# Altium PCB Hotbuton_timer.PcbDoc (part 2 of 2) (continued)
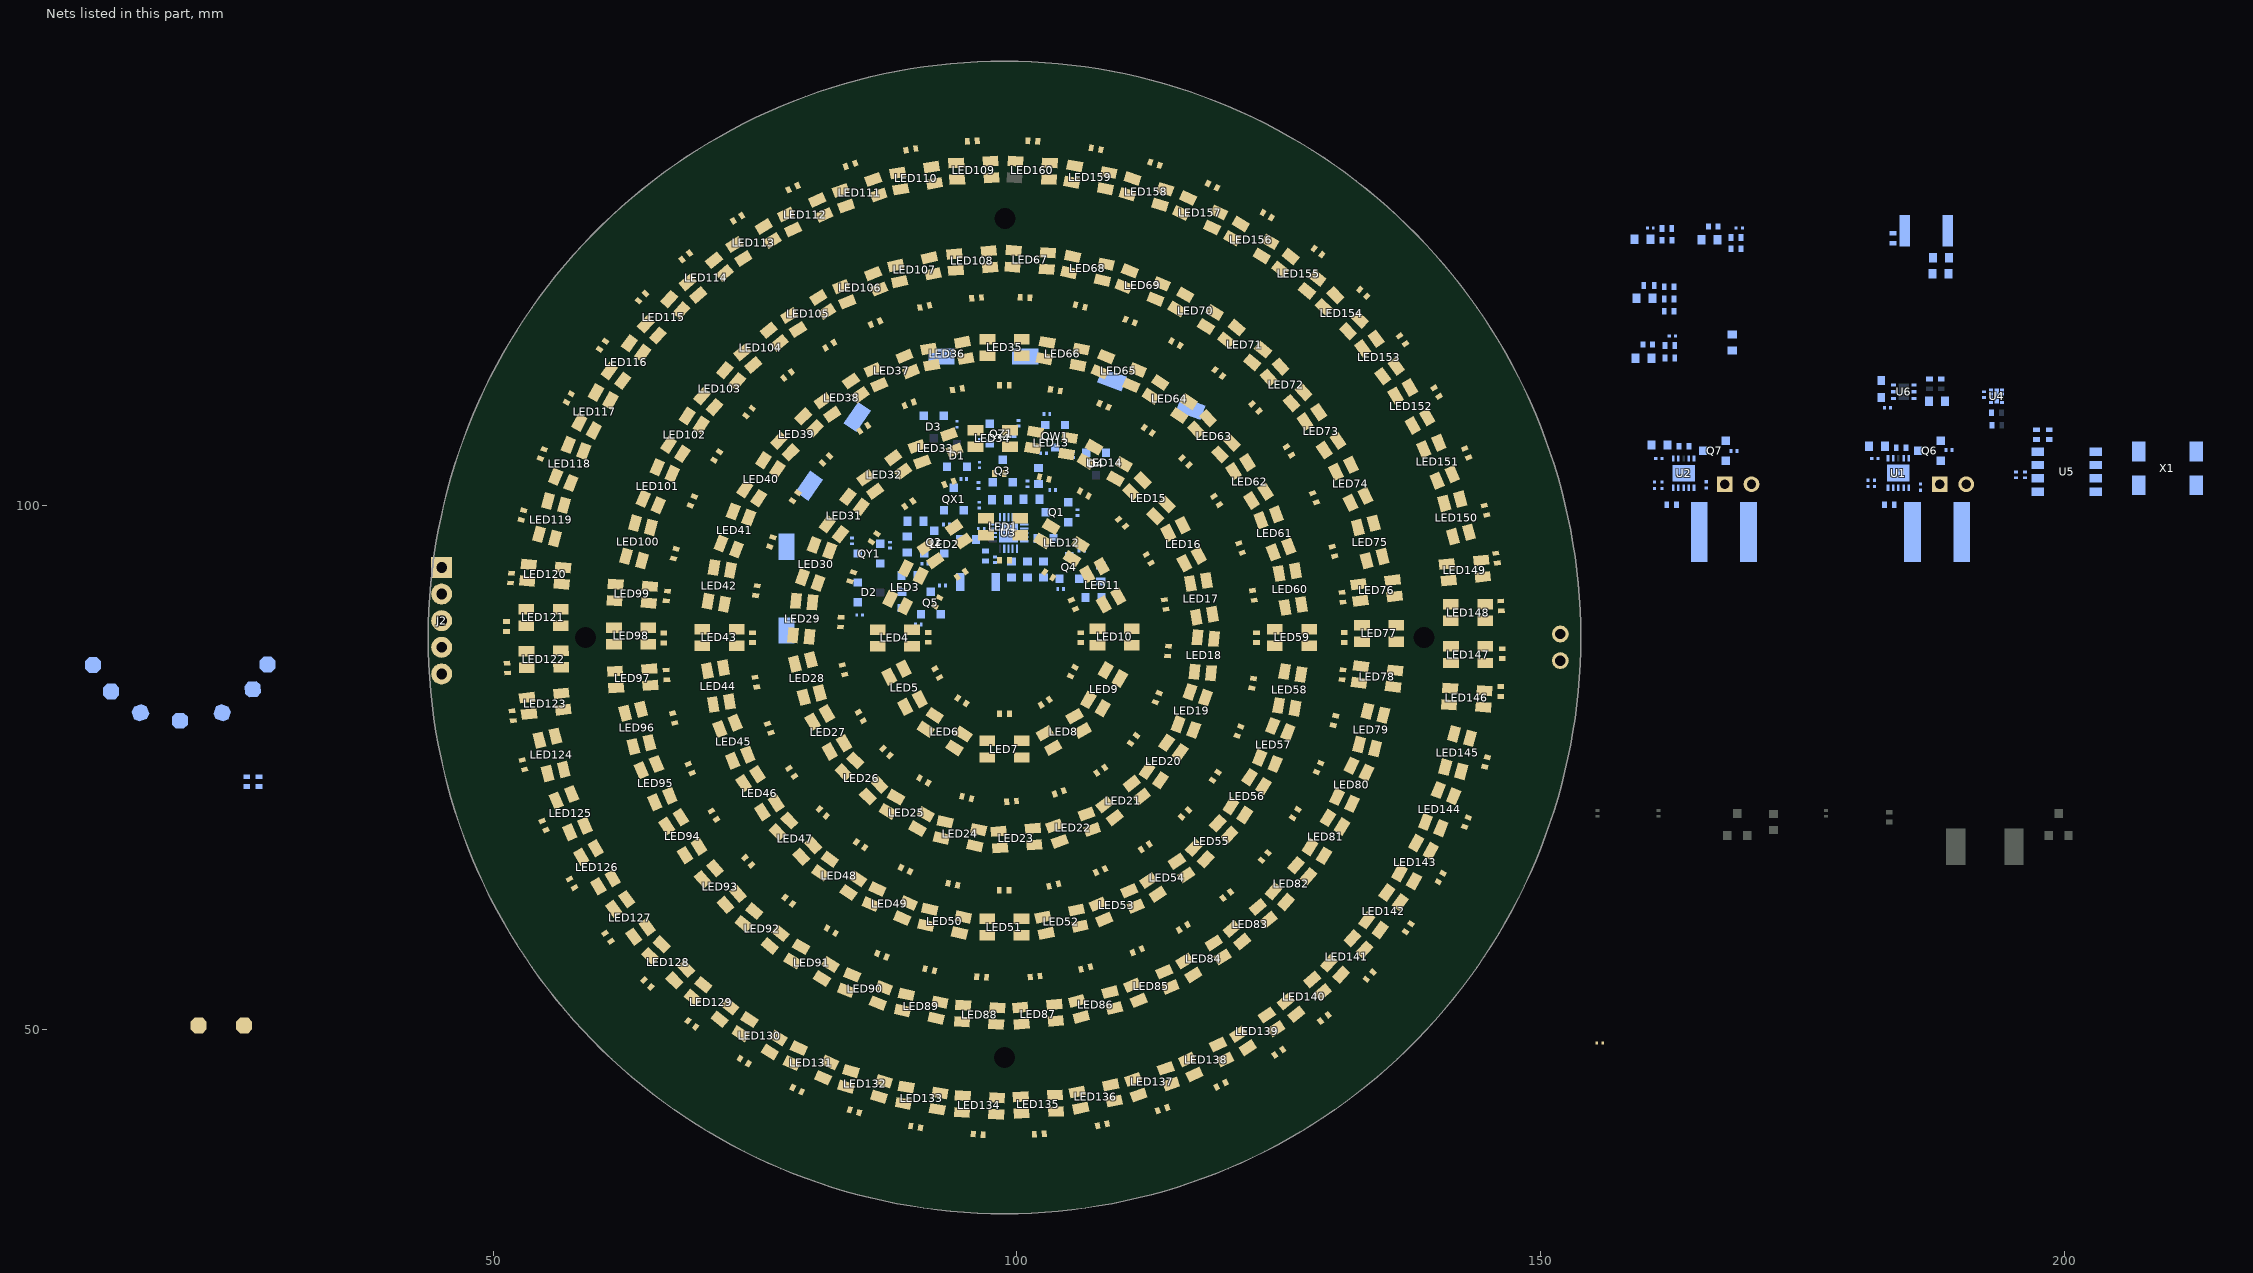
[diagram p2: the nets of this part, all layers, seen from the top]
## Part data (continued)
R11 R14: library part RC0201FR-0710KL, "RES SMD 10K OHM 1% 1/20W 0201", Case/Package=0201, Case Code (Metric)=0603, Manufacturer=Yageo, Max Operating Temperature=125°C, Max Power Dissipation=50mW, Min Operating Temperature=-55°C, Package Quantity=1, Resistance=10kR, Resistor Type="Thick Film", Supplier Part Number 1=311-10.0KMCT-ND, Temperature Coefficient=200ppm/°C, Tolerance=1%, Voltage Rating=25V, Case Code (Imperial)=0201, Category="Chip SMD Resistors", ComponentLink1Description=https://datasheet.ciiva.com/2467/pyu-r-int-thick-7-2467109.pdf?src-supplier=Digi-Key, ComponentLink1URL=https://datasheet.ciiva.com/2467/pyu-r-int-thick-7-2467109.pdf?src-supplier=Digi-Key, ComponentLink2Description=https://datasheet.ciiva.com/2467/pyu-r-int-thick-7-2467110.pdf?src-supplier=Digi-Key, ComponentLink2URL=https://datasheet.ciiva.com/2467/pyu-r-int-thick-7-2467110.pdf?src-supplier=Digi-Key, ComponentLink3Description=https://datasheet.ciiva.com/2467/pyu-r-int-thick-7-2467111.pdf?src-supplier=Digi-Key, ComponentLink3URL=https://datasheet.ciiva.com/2467/pyu-r-int-thick-7-2467111.pdf?src-supplier=Digi-Key, ComponentLink4Description=https://datasheet.ciiva.com/7660/1421516-7660807.pdf?src-supplier=Element14, ComponentLink4URL=https://datasheet.ciiva.com/7660/1421516-7660807.pdf?src-supplier=Element14, ComponentLink5Description=https://datasheet.ciiva.com/8891/pyu-rc0201-51-rohs-l-8-8891384.pdf?src-supplier=Avnet, ComponentLink5URL=https://datasheet.ciiva.com/8891/pyu-rc0201-51-rohs-l-8-8891384.pdf?src-supplier=Avnet, ComponentLink6Description=https://datasheet.ciiva.com/28405/pyu-rc0201-51-rohs-l-8-28405609.pdf?src-supplier=Avnet+Europe, ComponentLink6URL=https://datasheet.ciiva.com/28405/pyu-rc0201-51-rohs-l-8-28405609.pdf?src-supplier=Avnet+Europe, ComponentLink7Description=https://datasheet.ciiva.com/26829/getdatasheetpartid-421074-26829851.pdf?src-supplier=Verical, ComponentLink7URL=https://datasheet.ciiva.com/26829/getdatasheetpartid-421074-26829851.pdf?src-supplier=Verical, ComponentLink8Description=https://datasheet.ciiva.com/46391/1421516-46391339.pdf?src-supplier=Element14, ComponentLink8URL=https://datasheet.ciiva.com/46391/1421516-46391339.pdf?src-supplier=Element14, ComponentLink9Description=https://datasheet.ciiva.com/16855/pyu-rc0201-51-rohs-l-8-16855789.pdf?src-supplier=Avnet+Europe, ComponentLink9URL=https://datasheet.ciiva.com/16855/pyu-rc0201-51-rohs-l-8-16855789.pdf?src-supplier=Avnet+Europe, Contact Plating=Tin,Matte, Depth=0.3mm, Features="Moisture Resistant", Height=0.01inch, Lead Free="Lead Free", Length=0.6mm, Manufacturer Part Number=RC0201FR-0710KL, Military Standard=Not, Number of Pins=2, Number of Terminations=2, Packaging="Tape and Reel", Power Rating=50mW, Pricing 1="1=0.10000, 10=0.03600, 100=0.01480, 1000=0.00665, 2500=0.00577, 5000=0.00477 (USD)", Radiation Hardening=No, REACH SVHC="No SVHC", RoHS=Yes, Stock 1=6892350, Supplier 1=Digi-Key, Termination=SMD/SMT, Voltage Rating (DC)=25V, Weight=6E-06oz, Width=0.3mm, Working Voltage=25V
R12 R15: library part RK73H1JTTD4023F, "Res Thick Film 0603 402K Ohm 1% 0.1W(1/10W) ±100ppm/C Pad SMD Automotive T/R", Case/Package=0603, Case Code (Metric)=1608, Manufacturer="KOA Speer", Max Operating Temperature=155°C, Min Operating Temperature=-55°C, Power Rating=100mW, Resistance=402kR, Resistor Type="Thick Film", Supplier Part Number 1=2019-RK73H1JTTD4023FCT-ND, Temperature Coefficient=100ppm/°C, Tolerance=1%, Voltage Rating=50V, Case Code (Imperial)=0603, Category="Chip SMD Resistors", ComponentLink1Description=https://datasheet.ciiva.com/5553/rk73h-5553241.pdf?src-supplier=Mouser, ComponentLink1URL=https://datasheet.ciiva.com/5553/rk73h-5553241.pdf?src-supplier=Mouser, Construction=Rectangular, Depth=0.8mm, Lead Free="Lead Free", Length=1.6mm, Manufacturer Part Number=RK73H1JTTD4023F, Military Standard=Not, Packaging="Tape and Reel", Pricing 1="1=0.10000, 10=0.02200, 100=0.00910, 1000=0.00408, 2500=0.00354 (USD)", RoHS=Yes, RoHS Compliant=Yes, Series=RK73H, Stock 1=50000, Supplier 1=Digi-Key, Termination=SMD/SMT, Voltage Rating (DC)=50V
R13 R16: library part RK73H1ETTP1003F, "Res Thick Film 0402 100K Ohm 1% 1/16W ±100ppm/°C Molded SMD Punched Paper T/R", Case/Package=0402, Case Code (Metric)=1005, Manufacturer="KOA Speer", Manufacturer Series=RK73H, Max Operating Temperature=155°C, Min Operating Temperature=-55°C, Package Quantity=10000, Package Shape=Rectangular, Power Rating=63mW, Resistance=100kR, Resistor Type="Thick Film", Supplier Part Number 1=2019-RK73H1ETTP1003FCT-ND, Temperature Coefficient=100ppm/°C, Tolerance=1%, Voltage Rating=50V, Additional Feature=PRECISION, Case Code (Imperial)=0402, Category="Chip SMD Resistors", ComponentLink1Description=http://www.mouser.com/ds/2/219/RK73H-5715.pdf?src-supplier=Mouser, ComponentLink1URL=http://www.mouser.com/ds/2/219/RK73H-5715.pdf?src-supplier=Mouser, ComponentLink2Description=http://www.jameco.com/Jameco/Products/ProdDS/1882455.pdf?src-supplier=Jameco, ComponentLink2URL=http://www.jameco.com/Jameco/Products/ProdDS/1882455.pdf?src-supplier=Jameco, ComponentLink3Description=http://components.arrow.com/part/dataview/39721605S6492599N5146?src-supplier=Arrow+Electronics, ComponentLink3URL=http://components.arrow.com/part/dataview/39721605S6492599N5146?src-supplier=Arrow+Electronics, ComponentLink4Description=https://www.verical.com/server-webapp/html/getDatasheet?partID=26325&src-supplier=Verical, ComponentLink4URL=https://www.verical.com/server-webapp/html/getDatasheet?partID=26325&src-supplier=Verical, Construction=Rectangular, Depth=0.5mm, Height=0.35mm, Lead Free="Lead Free", Length=1mm, Manufacturer Part Number=RK73H1ETTP1003F, Military Standard=Not, Packaging="Tape and Reel", Pricing 1="1=0.10000, 10=0.02400, 100=0.00970, 1000=0.00437, 2500=0.00380, 5000=0.00314 (USD)", RoHS=Yes, RoHS Compliant=Yes, Series=RK73H, Size Code=0402, Stock 1=373472, Supplier 1=Digi-Key, Technology="METAL GLAZE/THICK FILM", Terminal Finish=Tin, Termination=SMD/SMT, Voltage Rating (DC)=50V, Width=0.5mm, Working Voltage=50V
R17 R18: library part RK73G1ETTP1004F, "Thick Film Resistors - SMD 0402 4 MEG", Case/Package=0402, Case Code (Metric)=1005, Manufacturer="KOA Speer", Package Quantity=10000, Resistance=4R, Supplier Part Number 1=2019-RK73G1ETTP1004FCT-ND, Case Code (Imperial)=0402, Category="Chip SMD Resistors", ComponentLink1Description=http://www.mouser.com/ds/2/219/RK73G-9863.pdf?src-supplier=Mouser, ComponentLink1URL=http://www.mouser.com/ds/2/219/RK73G-9863.pdf?src-supplier=Mouser, Height=0.35mm, Length=1mm, Manufacturer Part Number=RK73G1ETTP1004F, Packaging="Tape and Reel", Pricing 1="1=0.29000, 10=0.24200, 100=0.09460, 1000=0.03960, 2500=0.03630, 5000=0.03300 (USD)", RoHS=Yes, RoHS Compliant=Yes, Series=RK73G, Stock 1=8474, Supplier 1=Digi-Key, Termination=SMD/SMT, Width=0.5mm
R19: library part RMCF0201FT4K70, "RES 4.7K OHM 1% 1/20W 0201", Case/Package=0201, Case Code (Metric)=0603, Manufacturer="Stackpole Electronics", Max Operating Temperature=125°C, Max Power Dissipation=50mW, Min Operating Temperature=-55°C, Resistance=4.7kR, Resistor Type="Thick Film", Supplier Part Number 1=RMCF0201FT4K70CT-ND, Temperature Coefficient=200ppm/°C, Tolerance=1%, Case Code (Imperial)=0201, Category="Chip SMD Resistors", ComponentLink1Description=https://www.seielect.com/catalog/SEI-Packaging.pdf?src-supplier=Digi-Key, ComponentLink1URL=https://www.seielect.com/catalog/SEI-Packaging.pdf?src-supplier=Digi-Key, ComponentLink2Description=https://www.seielect.com/catalog/SEI-RMCF_RMCP.pdf?src-supplier=Avnet, ComponentLink2URL=https://www.seielect.com/catalog/SEI-RMCF_RMCP.pdf?src-supplier=Avnet, Contact Plating=Tin,Matte, Height=0.009inch, Length=0.024inch, Manufacturer Part Number=RMCF0201FT4K70, Mount="Surface Mount", Number of Terminations=2, Packaging="Tape and Reel", Pricing 1="1=0.10000, 10=0.02300, 100=0.00940, 1000=0.00424, 2500=0.00368, 5000=0.00304 (USD)", Radiation Hardening=No, RoHS=Yes, Stock 1=325790, Supplier 1=Digi-Key, Width=0.012inch
R24 R25 R26 R27: library part RK73H1HTTC47R0F, "RES 47 OHM 1% 1/20W 0201", Case/Package=0201, Case Code (Metric)=0603, Manufacturer="KOA Speer", Max Operating Temperature=125°C, Min Operating Temperature=-55°C, Power Rating=50mW, Resistor Type="Thick Film", Supplier Part Number 1=2019-RK73H1HTTC47R0FCT-ND, Temperature Coefficient=200ppm/°C, Tolerance=1%, Voltage Rating=25V, Case Code (Imperial)=0201, Category="Chip SMD Resistors", ComponentLink1Description=https://datasheet.ciiva.com/5552/rk73h-5552712.pdf?src-supplier=Mouser, ComponentLink1URL=https://datasheet.ciiva.com/5552/rk73h-5552712.pdf?src-supplier=Mouser, Construction=Rectangular, Depth=0.3mm, Length=0.6mm, Manufacturer Part Number=RK73H1HTTC47R0F, Military Standard=Not, Packaging="Tape and Reel", Pricing 1="1=0.10000, 10=0.07500, 100=0.03050, 1000=0.01370, 2500=0.01189, 5000=0.00982 (USD)", Resistance=47R, RoHS=Yes, RoHS Compliant=Yes, Series=RK73H, Stock 1=7660, Supplier 1=Digi-Key, Termination=SMD/SMT, Voltage Rating (DC)=25V
SB1 SB2: library part "Solder Bridge Trough hole", "Solder Bridge ON"
SB3 SB4 SB5 SB6 SB7 SB8 SB9 SB10 SB11 SB13 SB_L1 SB_L2 SB_L3 SB_L4 SB_L5 SB_L6 SB_L7 SB_L8 SBA1 SBB1 SBC1 SBD1: "Solder Bridge ON"
SW1: "Conn Isolated Power Socket Strip SKT 20 POS 4.19mm Solder ST Thru-Hole 20 Terminal 1 Port Tube", Current=15A, Features=Momentary, Material=Plastic, Model Number=PBS-110, Switch Type="Push Button Switch"
SW2: "SWITCH TACTILE SPST-NO 0.05A 12V", Contact Current Rating=50mA, Contact Resistance=100mR, Insulation Resistance=100MR, Manufacturer=Omron, Max Operating Temperature=70°C, Max Voltage Rating (DC)=12V, Min Operating Temperature=-25°C, Operating Force=1.5N, Package Quantity=1, Ratings="Dust Proof,IP40", Supplier Part Number 1=SW1020DKR-ND, Actuator Length=0.4mm, Actuator Type=Standard, ComponentLink1Description=http://www.farnell.com/datasheets/60838.pdf?src-supplier=Farnell, ComponentLink1URL=http://www.farnell.com/datasheets/60838.pdf?src-supplier=Farnell, ComponentLink2Description=http://www.farnell.com/datasheets/60838.pdf?src-supplier=Element14, ComponentLink2URL=http://www.farnell.com/datasheets/60838.pdf?src-supplier=Element14, ComponentLink3Description=https://omronfs.omron.com/en_US/ecb/products/pdf/en-b3u.pdf?src-supplier=Digi-Key, ComponentLink3URL=https://omronfs.omron.com/en_US/ecb/products/pdf/en-b3u.pdf?src-supplier=Digi-Key, ComponentLink4Description=http://www.omron.com/ecb/products/pdf/en-b3u.pdf?src-supplier=Digi-Key, ComponentLink4URL=http://www.omron.com/ecb/products/pdf/en-b3u.pdf?src-supplier=Digi-Key, ComponentLink5Description=https://www.distrelec.biz/Web/Downloads/he/et/B3U_eng_datasheet.pdf?mime=application%2Fpdf&src-supplier=Distrelec, ComponentLink5URL=https://www.distrelec.biz/Web/Downloads/he/et/B3U_eng_datasheet.pdf?mime=application%2Fpdf&src-supplier=Distrelec, ComponentLink6Description=http://www.onlinecomponents.com/productFiles/mf-OM/en-b3u.pdf?src-supplier=Onlinecomponents.com, ComponentLink6URL=http://www.onlinecomponents.com/productFiles/mf-OM/en-b3u.pdf?src-supplier=Onlinecomponents.com, ComponentLink7Description=https://www.verical.com/server-webapp/html/getDatasheet?partID=552554&src-supplier=Verical, ComponentLink7URL=https://www.verical.com/server-webapp/html/getDatasheet?partID=552554&src-supplier=Verical, ComponentLink8Description=http://www.farnell.com/datasheets/1685550.pdf?src-supplier=Element14, ComponentLink8URL=http://www.farnell.com/datasheets/1685550.pdf?src-supplier=Element14, ComponentLink9Description=http://www.farnell.com/datasheets/2610940.pdf?src-supplier=Farnell, ComponentLink9URL=http://www.farnell.com/datasheets/2610940.pdf?src-supplier=Farnell, ComponentLink10Description=https://www.alliedelec.com/m/d/4c8a9ef82804fc3c241a13c1e298fd73.pdf?src-supplier=Allied+Electronics, ComponentLink10URL=https://www.alliedelec.com/m/d/4c8a9ef82804fc3c241a13c1e298fd73.pdf?src-supplier=Allied+Electronics, Contact Material=Silver, Current Rating=50mA, Depth=2.5mm, Electrical Life=200000Cycles, Height=1.2mm, Illumination Type=Non-Illuminated,Illuminated, Lead Free="Lead Free", Length=4mm, Manufacturer Part Number=B3U-1000P, Max Current Rating=50mA, Mechanical Life=200000Cycles, Mount="Surface Mount", Orientation=Straight, Packaging="Tape and Reel", Pricing 1="1=1, 10=0.961, 25=0.9064, 50=0.7976, 100=0.7251, 250=0.68888, 500=0.67074, 1000=0.52571 (USD)", REACH SVHC=Unknown, Stock 1=116454, Supplier 1=Digi-Key, Switch Function=Off-Mom, Switch Travel=0.15mm, Termination=SMD/SMT, Throw Configuration=SPST, Voltage Rating (DC)=12V, Weight=0.000776oz, Width=3mm
U1 U2: "TEXAS INSTRUMENTS         TPS61230DRCR             DC-DC Switching Boost Step Up Regulator, Adjustable, 2.3V-5.5Vin, 2.5V-5.5Vout, 2.1Aout, SON-10", Manufacturer="Texas Instruments", Max Input Voltage=5.5V, Max Operating Temperature=85°C, Max Output Current=2.1A, Min Input Voltage=2.3V, Min Operating Temperature=-40°C, Min Output Voltage=2.5V, Package Quantity=3000, Quiescent Current=35uA, Supplier Part Number 1=296-37761-1-ND, Switching Frequency=2MHz, Category="Power Supply Modules", ComponentLink1Description=https://datasheet.ciiva.com/48475/tps61230-48475574.pdf?src-supplier=Avnet, ComponentLink1URL=https://datasheet.ciiva.com/48475/tps61230-48475574.pdf?src-supplier=Avnet, Contact Plating=Gold, Efficiency=96%, Height=0.95mm, Lead Free="Lead Free", Length=3.1mm, Manufacturer Part Number=TPS61230DRCR, Max Output Voltage=5.5V, Number of Outputs=1, Number of Pins=10, Operating Supply Voltage=5.5V, Output Configuration=Positive, Output Current=2.1A, Output Type=Adjustable, Output Voltage=5.5V, Packaging="Tape and Reel", Pricing 1="1=2.61000, 10=2.34800, 25=2.21520, 100=1.77230, 250=1.55080, 500=1.50648, 1000=1.19632 (USD)", Radiation Hardening=No, REACH SVHC="No SVHC", RoHS=Yes, RoHS Compliant=Yes, Stock 1=42459, Supplier 1=Digi-Key, Synchronous Rectifier=Yes, Topology=Boost, Weight=0.001058oz, Width=3.1mm
U3: "Microchip ATTINY1616-MNR, 8bit AVR Microcontroller, 20MHz, 16 kB Flash, 20-Pin VQFN", Case/Package=VQFN, Frequency=20MHz, Manufacturer=Microchip, Max Operating Temperature=105°C, Min Operating Temperature=-40°C, Supplier Part Number 1=ATTINY1616-MNRCT-ND, Category=Microcontrollers, ComponentLink1Description=http://www.microchip.com/mymicrochip/filehandler.aspx?ddocname=en606269&src-supplier=Digi-Key, ComponentLink1URL=http://www.microchip.com/mymicrochip/filehandler.aspx?ddocname=en606269&src-supplier=Digi-Key, Core Architecture=AVR, Interface=I2C,SPI,IrDA,UART,USART, Manufacturer Part Number=ATTINY1616-MNR, Memory Size=16KB, Memory Type=FLASH, Number of I/Os=18, Oscillator Type=Internal, Packaging="Cut Tape", Peripherals="Brown-out Detect/Reset,POR,PWM,WDT", Pricing 1="1=0.75000, 25=0.69000, 100=0.62000 (USD)", RoHS=No, Stock 1=3963, Supplier 1=Digi-Key
U4: "IC REG LINEAR 3.3V 1A 8XDFN", Dropout Voltage=95mV, Manufacturer="ON Semiconductor", Max Operating Temperature=125°C, Min Current Limit=1.1A, Min Operating Temperature=-40°C, Output Current=1A, Output Voltage=3.3V, Supplier Part Number 1=NCP186AMX330TAGOSCT-ND, ComponentLink1Description=http://www.farnell.com/datasheets/2236905.pdf?src-supplier=Farnell, ComponentLink1URL=http://www.farnell.com/datasheets/2236905.pdf?src-supplier=Farnell, ComponentLink2Description=http://www.farnell.com/datasheets/2236905.pdf?src-supplier=Newark, ComponentLink2URL=http://www.farnell.com/datasheets/2236905.pdf?src-supplier=Newark, ComponentLink3Description=http://www.onsemi.com/pub/Collateral/NCP186-D.PDF?src-supplier=Digi-Key, ComponentLink3URL=http://www.onsemi.com/pub/Collateral/NCP186-D.PDF?src-supplier=Digi-Key, ComponentLink4Description=https://www.onsemi.com/pub/Collateral/NCP186-D.PDF?src-supplier=Digi-Key, ComponentLink4URL=https://www.onsemi.com/pub/Collateral/NCP186-D.PDF?src-supplier=Digi-Key, Lead Free="Lead Free", Manufacturer Part Number=NCP186AMX330TAG, Mount="Surface Mount", Number of Pins=8, Number of Regulators=1, Packaging="Tape and Reel", Pricing 1="1=0.48, 10=0.39, 25=0.3564, 100=0.2405, 250=0.199, 500=0.18242, 1000=0.13682 (USD)", Stock 1=5995, Supplier 1=Digi-Key
U5: "IC RTC CLK/CALENDAR I2C 8-SOIC"
U6: "IC REG BOOST SYNC 5V 0.45A 6SON", Manufacturer="Texas Instruments", Max Input Voltage=5.5V, Max Operating Temperature=85°C, Max Output Current=450mA, Max Output Voltage=5V, Min Input Voltage=2.3V, Min Operating Temperature=-40°C, Nominal Supply Current=200uA, Package Quantity=3000, Quiescent Current=30uA, Supplier Part Number 1=296-39437-1-ND, Switching Frequency=3.5MHz, Category="Voltage Regulators - Switching", ComponentLink1Description=https://datasheet.ciiva.com/2034/tps61240-2034192.pdf?src-supplier=Digi-Key, ComponentLink1URL=https://datasheet.ciiva.com/2034/tps61240-2034192.pdf?src-supplier=Digi-Key, Contact Plating=Gold, Efficiency=90%, Lead Free="Lead Free", Manufacturer Part Number=TPS61240DRVR, Min Output Voltage=5V, Min Supply Voltage=2.3V, Number of Outputs=1, Number of Pins=6, Operating Supply Voltage=5.5V, Output Configuration=Positive, Output Current=450mA, Output Type=Fixed, Output Voltage=5V, Packaging="Tape and Reel", Pricing 1="1=1.16000, 10=1.03800, 25=0.98560, 100=0.75680, 250=0.66880, 500=0.63360, 1000=0.49280 (USD)", Radiation Hardening=No, RoHS=Yes, Stock 1=697, Supplier 1=Digi-Key, Synchronous Rectifier=Yes, Topology=Boost, Weight=0.000342oz
X1: library part CM200C32768DZFT, "CRYSTAL 32.7680KHZ 12.5PF SMD", Case/Package=SMD/SMT, ESR (Equivalent Series Resistance)=50kR, Frequency=32.768kHz, Frequency Tolerance=20ppm, Load Capacitance=12.5pF, Manufacturer=Citizen, Max Operating Temperature=85°C, Min Operating Temperature=-40°C, Package Quantity=3000, Supplier Part Number 1=695-CM200C-32768DZFT, Category=Crystals, ComponentLink1Description=https://datasheet.ciiva.com/13163/cm200c-citizen-187069-13163866.pdf?src-supplier=Mouser, ComponentLink1URL=https://datasheet.ciiva.com/13163/cm200c-citizen-187069-13163866.pdf?src-supplier=Mouser, ComponentLink2Description=https://datasheet.ciiva.com/16437/cm200c-250c-16437102.pdf?src-supplier=Future+Electronics, ComponentLink2URL=https://datasheet.ciiva.com/16437/cm200c-250c-16437102.pdf?src-supplier=Future+Electronics, ComponentLink3Description=https://datasheet.ciiva.com/48778/1673496-48778901.pdf?src-supplier=Element14, ComponentLink3URL=https://datasheet.ciiva.com/48778/1673496-48778901.pdf?src-supplier=Element14, Lead Free="Lead Free", Manufacturer Part Number=CM200C32768DZFT, Mount="Surface Mount", Packaging="Tape and Reel", Pricing 1="1=0.57000, 10=0.47500, 50=0.42700, 100=0.38000, 1000=0.30400, 10000=0.25400 (USD)", REACH SVHC=Unknown, RoHS=Yes, Stock 1=1, Supplier 1=Mouser

## Free pads (board coordinates)
  round 1.524 hole 2 unplated: MH1(98.857,127.381) MH2(138.836,87.351) MH3(98.806,47.295) MH4(58.826,87.351)

## Nets (pads, with @x,y where several pads share a name; then routed paths per layer and width w, separated by ;. In a path a pad name is that pad's centre, name@x,y a point inside that pad or via, vN(x,y) a via of type N, cw(c..) or ccw(c..) an arc to the next point about the centre after c; other vN are vias at no path point)
A_LED_INPUT: LED1.4 SB_L1.2 SB_L2.2
B_LED_INPUT: LED42.4 SB_L3.2 SB_L4.2
BAT_IN: C25.2 J1.1 P3.1 SB9.1 SB10.1 SW1.1
BUZZ: D1.2 LS1.2 R24.1
BUZZ1: D2.2 LS2.2 R25.1
BUZZ2: D3.2 LS3.2 R26.1
BUZZ3: D4.2 LS4.2 R27.1
BUZZER: QX1.1 QY1.1 R28.1 R29.1 U3.6
BUZZER_1: QW1.1 QZ1.1 R30.1 R31.1 U3.7
C_LED_INPUT: LED82.4 SB_L7.2 SB_L8.2
CLK_OUT: P8.1 SB4.2 U5.7
D_LED_INPUT: LED122.4 SB_L5.2 SB_L6.2
DOUT1: LED1.2 LED2.4
DOUT2: LED2.2 LED3.4
DOUT3: LED3.2 LED4.4
DOUT4: LED4.2 LED5.4
DOUT5: LED5.2 LED6.4
DOUT6: LED6.2 LED7.4
DOUT7: LED7.2 LED8.4
DOUT8: LED8.2 LED9.4
DOUT9: LED9.2 LED10.4
DOUT10: LED10.2 LED11.4
DOUT11: LED11.2 LED12.4
DOUT12: LED12.2 LED13.4
DOUT13: LED13.2 LED14.4
DOUT14: LED14.2 LED15.4
DOUT15: LED15.2 LED16.4
DOUT16: LED16.2 LED17.4
DOUT17: LED17.2 LED18.4
DOUT18: LED18.2 LED19.4
DOUT19: LED19.2 LED20.4
DOUT20: LED20.2 LED21.4
DOUT21: LED21.2 LED22.4
DOUT22: LED22.2 LED23.4
DOUT23: LED23.2 LED24.4
DOUT24: LED24.2 LED25.4
DOUT25: LED25.2 LED26.4
DOUT26: LED26.2 LED27.4
DOUT27: LED27.2 LED28.4
DOUT28: LED28.2 LED29.4
DOUT29: LED29.2 LED30.4
DOUT30: LED30.2 LED31.4
DOUT31: LED31.2 LED32.4
DOUT32: LED32.2 LED33.4
DOUT33: LED33.2 LED34.4
DOUT34: LED34.2 LED35.4
DOUT35: LED35.2 LED36.4
DOUT36: LED36.2 LED37.4
DOUT37: LED37.2 LED38.4
DOUT38: LED38.2 LED39.4
DOUT39: LED39.2 LED40.4
DOUT40: LED40.2 LED41.4
DOUT41: LED41.2 SB_L3.1
DOUT42: LED42.2 LED43.4
DOUT43: LED43.2 LED44.4
DOUT44: LED44.2 LED45.4
DOUT45: LED45.2 LED46.4
DOUT46: LED46.2 LED47.4
DOUT47: LED47.2 LED48.4
DOUT48: LED48.2 LED49.4
DOUT49: LED49.2 LED50.4
DOUT50: LED50.2 LED51.4
DOUT51: LED51.2 LED52.4
DOUT52: LED52.2 LED53.4
DOUT53: LED53.2 LED54.4
DOUT54: LED54.2 LED55.4
DOUT55: LED55.2 LED56.4
DOUT56: LED56.2 LED57.4
DOUT57: LED57.2 LED58.4
DOUT58: LED58.2 LED59.4
DOUT59: LED59.2 LED60.4
DOUT60: LED60.2 LED61.4
DOUT61: LED61.2 LED62.4
DOUT62: LED62.2 LED63.4
DOUT63: LED63.2 LED64.4
DOUT64: LED64.2 LED65.4
DOUT65: LED65.2 LED66.4
DOUT66: LED66.2 LED67.4
DOUT67: LED67.2 LED68.4
DOUT68: LED68.2 LED69.4
DOUT69: LED69.2 LED70.4
DOUT70: LED70.2 LED71.4
DOUT71: LED71.2 LED72.4
DOUT72: LED72.2 LED73.4
DOUT73: LED73.2 LED74.4
DOUT74: LED74.2 LED75.4
DOUT75: LED75.2 LED76.4
DOUT76: LED76.2 LED77.4
DOUT77: LED77.2 LED78.4
DOUT78: LED78.2 LED79.4
DOUT79: LED79.2 LED80.4
DOUT80: LED80.2 LED81.4
DOUT81: LED81.2 SB_L7.1
DOUT82: LED82.2 LED83.4
DOUT83: LED83.2 LED84.4
DOUT84: LED84.2 LED85.4
DOUT85: LED85.2 LED86.4
DOUT86: LED86.2 LED87.4
DOUT87: LED87.2 LED88.4
DOUT88: LED88.2 LED89.4
DOUT89: LED89.2 LED90.4
DOUT90: LED90.2 LED91.4
DOUT91: LED91.2 LED92.4
DOUT92: LED92.2 LED93.4
DOUT93: LED93.2 LED94.4
DOUT94: LED94.2 LED95.4
DOUT95: LED95.2 LED96.4
DOUT96: LED96.2 LED97.4
DOUT97: LED97.2 LED98.4
DOUT98: LED98.2 LED99.4
DOUT99: LED99.2 LED100.4
DOUT100: LED100.2 LED101.4
DOUT101: LED101.2 LED102.4
DOUT102: LED102.2 LED103.4
DOUT103: LED103.2 LED104.4
DOUT104: LED104.2 LED105.4
DOUT105: LED105.2 LED106.4
DOUT106: LED106.2 LED107.4
DOUT107: LED107.2 LED108.4
DOUT108: LED108.2 LED109.4
DOUT109: LED109.2 LED110.4
DOUT110: LED110.2 LED111.4
DOUT111: LED111.2 LED112.4
DOUT112: LED112.2 LED113.4
DOUT113: LED113.2 LED114.4
DOUT114: LED114.2 LED115.4
DOUT115: LED115.2 LED116.4
DOUT116: LED116.2 LED117.4
DOUT117: LED117.2 LED118.4
DOUT118: LED118.2 LED119.4
DOUT119: LED119.2 LED120.4
DOUT120: LED120.2 LED121.4
DOUT121: LED121.2 SB_L5.1
DOUT122: LED122.2 LED123.4
DOUT123: LED123.2 LED124.4
DOUT124: LED124.2 LED125.4
DOUT125: LED125.2 LED126.4
DOUT126: LED126.2 LED127.4
DOUT127: LED127.2 LED128.4
DOUT128: LED128.2 LED129.4
DOUT129: LED129.2 LED130.4
DOUT130: LED130.2 LED131.4
DOUT131: LED131.2 LED132.4
DOUT132: LED132.2 LED133.4
DOUT133: LED133.2 LED134.4
DOUT134: LED134.2 LED135.4
DOUT135: LED135.2 LED136.4
DOUT136: LED136.2 LED137.4
DOUT137: LED137.2 LED138.4
DOUT138: LED138.2 LED139.4
DOUT139: LED139.2 LED140.4
DOUT140: LED140.2 LED141.4
DOUT141: LED141.2 LED142.4
DOUT142: LED142.2 LED143.4
DOUT143: LED143.2 LED144.4
DOUT144: LED144.2 LED145.4
DOUT145: LED145.2 LED146.4
DOUT146: LED146.2 LED147.4
DOUT147: LED147.2 LED148.4
DOUT148: LED148.2 LED149.4
DOUT149: LED149.2 LED150.4
DOUT150: LED150.2 LED151.4
DOUT151: LED151.2 LED152.4
DOUT152: LED152.2 LED153.4
DOUT153: LED153.2 LED154.4
DOUT154: LED154.2 LED155.4
DOUT155: LED155.2 LED156.4
DOUT156: LED156.2 LED157.4
DOUT157: LED157.2 LED158.4
DOUT158: LED158.2 LED159.4
DOUT159: LED159.2 LED160.4
EN_CO_1: R11.2 U3.9
EN_CO_2: R14.2 U3.10
GND: C1.1 C2.1 C3.1 C4.1 C5.1 C6.1 C7.2 C8.2 C9.1 C10.1 C11.1 C12.1 C13.1 C14.2 C15.2 C16.2 C17.2 C18.2 C19.2 C20.2 C21.2 C22.2 C23.2 C24.2 C25.1 C26.1 C27.1 C28.1 C29.1 CL1.1 CL2.1 CL3.1 CL4.1 CL5.1 CL6.1 CL7.1 CL8.1 CL9.1 CL10.1 CL11.1 CL12.1 CL13.1 CL14.1 CL15.1 CL16.1 CL17.1 CL18.1 CL19.1 CL20.1 CL21.1 CL22.1 CL23.1 CL24.1 CL25.1 CL26.1 CL27.1 CL28.1 CL29.1 CL30.1 CL31.1 CL32.1 CL33.1 CL34.1 CL35.1 CL36.1 CL37.1 CL38.1 CL39.1 CL40.1 CL41.1 CL42.1 CL43.1 CL44.1 CL45.1 CL46.1 CL47.1 CL48.1 CL49.1 CL50.1 CL51.1 CL52.1 CL53.1 CL54.1 CL55.1 CL56.1 CL57.1 CL58.1 CL59.1 CL60.1 CL61.1 CL62.1 CL63.1 CL64.1 CL65.1 CL66.1 CL67.1 CL68.1 CL69.1 CL70.1 CL71.1 CL72.1 CL73.1 CL74.1 CL75.1 CL76.1 CL77.1 CL78.1 CL79.1 CL80.1 CL81.1 CL82.1 CL83.1 CL84.1 CL85.1 CL86.1 CL87.1 CL88.1 CL89.1 CL90.1 CL91.1 CL92.1 CL93.1 CL94.1 CL95.1 CL96.1 CL97.1 CL98.1 CL99.1 CL100.1 CL101.1 CL102.1 CL103.1 CL104.1 CL105.1 CL106.1 CL107.1 CL108.1 CL109.1 CL110.1 CL111.1 CL112.1 CL113.1 CL114.1 CL115.1 CL116.1 CL117.1 CL118.1 CL119.1 CL120.1 CL121.1 CL122.1 CL123.1 CL124.1 CL125.1 CL126.1 CL127.1 CL128.1 CL129.1 CL130.1 CL131.1 CL132.1 CL133.1 CL134.1 CL135.1 CL136.1 CL137.1 CL138.1 CL139.1 CL140.1 CL141.1 CL142.1 CL143.1 CL144.1 CL145.1 CL146.1 CL147.1 CL148.1 CL149.1 CL150.1 CL151.1 CL152.1 CL153.1 CL154.1 CL155.1 CL156.1 CL157.1 CL158.1 CL159.1 CL160.1 J1.2 J2.5 LED1.3 LED2.3 LED3.3 LED4.3 LED5.3 LED6.3 LED7.3 LED8.3 LED9.3 LED10.3 LED11.3 LED12.3 LED13.3 LED14.3 LED15.3 LED16.3 LED17.3 LED18.3 LED19.3 LED20.3 LED21.3 LED22.3 LED23.3 LED24.3 LED25.3 LED26.3 LED27.3 LED28.3 LED29.3 LED30.3 LED31.3 LED32.3 LED33.3 LED34.3 LED35.3 LED36.3 LED37.3 LED38.3 LED39.3 LED40.3 LED41.3 LED42.3 LED43.3 LED44.3 LED45.3 LED46.3 LED47.3 LED48.3 LED49.3 LED50.3 LED51.3 LED52.3 LED53.3 LED54.3 LED55.3 LED56.3 LED57.3 LED58.3 LED59.3 LED60.3 LED61.3 LED62.3 LED63.3 LED64.3 LED65.3 LED66.3 LED67.3 LED68.3 LED69.3 LED70.3 LED71.3 LED72.3 LED73.3 LED74.3 LED75.3 LED76.3 LED77.3 LED78.3 LED79.3 LED80.3 LED81.3 LED82.3 LED83.3 LED84.3 LED85.3 LED86.3 LED87.3 LED88.3 LED89.3 LED90.3 LED91.3 LED92.3 LED93.3 LED94.3 LED95.3 LED96.3 LED97.3 LED98.3 LED99.3 LED100.3 LED101.3 LED102.3 LED103.3 LED104.3 LED105.3 LED106.3 LED107.3 LED108.3 LED109.3 LED110.3 LED111.3 LED112.3 LED113.3 LED114.3 LED115.3 LED116.3 LED117.3 LED118.3 LED119.3 LED120.3 LED121.3 LED122.3 LED123.3 LED124.3 LED125.3 LED126.3 LED127.3 LED128.3 LED129.3 LED130.3 LED131.3 LED132.3 LED133.3 LED134.3 LED135.3 LED136.3 LED137.3 LED138.3 LED139.3 LED140.3 LED141.3 LED142.3 LED143.3 LED144.3 LED145.3 LED146.3 LED147.3 LED148.3 LED149.3 LED150.3 LED151.3 LED152.3 LED153.3 LED154.3 LED155.3 LED156.3 LED157.3 LED158.3 LED159.3 LED160.3 P7.1 P9.1 QW1.2 QX1.2 QY1.2 QZ1.2 R13.2 R16.2 R28.2 R29.2 R30.2 R31.2 SW2.2 U1.11 U2.11 U3.3 U3.21 U4.5 U4.9 U5.4 U6.1 X1.2 X1.3
INT: U3.5 U5.3
LED: Q3.2 R6.2 SB3.1
LED_A: Q1.2 R2.2 SBA1.2
LED_B: Q2.2 R4.2 SBB1.2
LED_C: Q4.2 R8.2 SBC1.2
LED_D: Q5.2 R10.2 SBD1.2
LED_IN: Q3.3 R5.2 SB_L1.1
LED_IN_A: Q1.3 R1.2 SB_L2.1
LED_IN_B: Q2.3 R3.2 SB_L4.1
LED_IN_C: Q4.3 R7.2 SB_L8.1
LED_IN_D: Q5.3 R9.2 SB_L6.1
NetC7_1: C7.1 U1.6
NetC8_1: C8.1 U2.6
NetD1_1: D1.1 L8.2 LS1.1
NetD2_1: D2.1 L9.2 LS2.1
NetD3_1: D3.1 L10.2 LS3.1
NetD4_1: D4.1 L11.2 LS4.1
NetL1_2: L1.2 U3.4
NetL2_1: L2.1 SB5.2
NetL3_1: L3.1 SB6.2
NetL4_1: L4.1 SB7.2
NetL5_1: L5.1 SB8.2
NetL6_2: L6.2 U5.8
NetL7_2: L7.2 U6.5
NetLY1_1: LY1.1 U1.1 U1.2
NetLY2_1: LY2.1 U2.1 U2.2
NetQ6_1: Q6.1 R11.1
NetQ6_2: Q6.2 U1.9
NetQ7_1: Q7.1 R14.1
NetQ7_2: Q7.2 U2.9
NetQW1_3: QW1.3 R27.2
NetQX1_3: QX1.3 R24.2
NetQY1_3: QY1.3 R25.2
NetQZ1_3: QZ1.3 R26.2
NetR12_1: R12.1 R13.1 U1.7
NetR15_1: R15.1 R16.1 U2.7
NetR17_2: R17.2 U1.5
NetR18_2: R18.2 U2.5
NetR20_1: R20.1 U4.6
NetR23_1: R23.1 U6.4
NetSB3_2: SB3.2 U3.8
NetSB4_1: SB4.1 U3.2
NetSBA1_1: SBA1.1 U3.15
NetSBB1_1: SBB1.1 U3.16
NetSBC1_1: SBC1.1 U3.17
NetSBD1_1: SBD1.1 U3.18
OSC_IN: U5.1 X1.1
OSC_OUT: U5.2 X1.4
RESET: C11.2 R19.1 SW2.1 U3.19
RESET#: J2.4 R19.2
RXD: J2.3 U3.11
SCL: R22.1 U3.14 U5.6
SDA: R21.1 U3.13 U5.5
TXD: J2.2 U3.12
V_BAT: P4.1 SB5.1 SB6.1 SB7.1 SB8.1 SB9.2 SB10.2 SB11.1 SW1.2
V_LED_1: C19.1 C20.1 C21.1 L4.2 LY1.2 Q6.3 U1.10
V_LED_2: C22.1 C23.1 C24.1 L5.2 LY2.2 Q7.3 U2.10
V_MCU: C14.1 C15.1 L2.2 R20.2 U4.7 U4.8
V_OUT_1: C4.2 C5.2 C6.2 R12.2 R17.1 SB1.1 U1.3 U1.4
V_OUT_2: C1.2 C2.2 C3.2 R15.2 R18.1 SB2.1 U2.3 U2.4
V_TR: C16.1 C17.1 C18.1 L3.2 L7.1 R23.2 U6.6
V_TR_O: SB13.1 U6.2 U6.3
VCC: P6.1 SB11.2 SB13.2
VCC_L1: CL1.2 CL2.2 CL3.2 CL4.2 CL5.2 CL6.2 CL7.2 CL8.2 CL9.2 CL10.2 CL11.2 CL12.2 CL13.2 CL14.2 CL15.2 CL16.2 CL17.2 CL18.2 CL19.2 CL20.2 CL21.2 CL22.2 CL23.2 CL24.2 CL25.2 CL26.2 CL27.2 CL28.2 CL29.2 CL30.2 CL31.2 CL32.2 CL33.2 CL34.2 CL35.2 CL36.2 CL37.2 CL38.2 CL39.2 CL40.2 CL41.2 CL42.2 CL43.2 CL44.2 CL45.2 CL46.2 CL47.2 CL48.2 CL49.2 CL50.2 CL51.2 CL52.2 CL53.2 CL54.2 CL55.2 CL56.2 CL57.2 CL58.2 CL59.2 CL60.2 CL61.2 CL62.2 CL63.2 CL64.2 CL65.2 CL66.2 CL67.2 CL68.2 CL69.2 CL70.2 CL71.2 CL72.2 CL73.2 CL74.2 CL75.2 CL76.2 CL77.2 CL78.2 CL79.2 CL80.2 LED1.1 LED2.1 LED3.1 LED4.1 LED5.1 LED6.1 LED7.1 LED8.1 LED9.1 LED10.1 LED11.1 LED12.1 LED13.1 LED14.1 LED15.1 LED16.1 LED17.1 LED18.1 LED19.1 LED20.1 LED21.1 LED22.1 LED23.1 LED24.1 LED25.1 LED26.1 LED27.1 LED28.1 LED29.1 LED30.1 LED31.1 LED32.1 LED33.1 LED34.1 LED35.1 LED36.1 LED37.1 LED38.1 LED39.1 LED40.1 LED41.1 LED42.1 LED43.1 LED44.1 LED45.1 LED46.1 LED47.1 LED48.1 LED49.1 LED50.1 LED51.1 LED52.1 LED53.1 LED54.1 LED55.1 LED56.1 LED57.1 LED58.1 LED59.1 LED60.1 LED61.1 LED62.1 LED63.1 LED64.1 LED65.1 LED66.1 LED67.1 LED68.1 LED69.1 LED70.1 LED71.1 LED72.1 LED73.1 LED74.1 LED75.1 LED76.1 LED77.1 LED78.1 LED79.1 LED80.1 P1.1 R1.1 R3.1 R5.1 SB1.2
VCC_L2: CL81.2 CL82.2 CL83.2 CL84.2 CL85.2 CL86.2 CL87.2 CL88.2 CL89.2 CL90.2 CL91.2 CL92.2 CL93.2 CL94.2 CL95.2 CL96.2 CL97.2 CL98.2 CL99.2 CL100.2 CL101.2 CL102.2 CL103.2 CL104.2 CL105.2 CL106.2 CL107.2 CL108.2 CL109.2 CL110.2 CL111.2 CL112.2 CL113.2 CL114.2 CL115.2 CL116.2 CL117.2 CL118.2 CL119.2 CL120.2 CL121.2 CL122.2 CL123.2 CL124.2 CL125.2 CL126.2 CL127.2 CL128.2 CL129.2 CL130.2 CL131.2 CL132.2 CL133.2 CL134.2 CL135.2 CL136.2 CL137.2 CL138.2 CL139.2 CL140.2 CL141.2 CL142.2 CL143.2 CL144.2 CL145.2 CL146.2 CL147.2 CL148.2 CL149.2 CL150.2 CL151.2 CL152.2 CL153.2 CL154.2 CL155.2 CL156.2 CL157.2 CL158.2 CL159.2 CL160.2 LED81.1 LED82.1 LED83.1 LED84.1 LED85.1 LED86.1 LED87.1 LED88.1 LED89.1 LED90.1 LED91.1 LED92.1 LED93.1 LED94.1 LED95.1 LED96.1 LED97.1 LED98.1 LED99.1 LED100.1 LED101.1 LED102.1 LED103.1 LED104.1 LED105.1 LED106.1 LED107.1 LED108.1 LED109.1 LED110.1 LED111.1 LED112.1 LED113.1 LED114.1 LED115.1 LED116.1 LED117.1 LED118.1 LED119.1 LED120.1 LED121.1 LED122.1 LED123.1 LED124.1 LED125.1 LED126.1 LED127.1 LED128.1 LED129.1 LED130.1 LED131.1 LED132.1 LED133.1 LED134.1 LED135.1 LED136.1 LED137.1 LED138.1 LED139.1 LED140.1 LED141.1 LED142.1 LED143.1 LED144.1 LED145.1 LED146.1 LED147.1 LED148.1 LED149.1 LED150.1 LED151.1 LED152.1 LED153.1 LED154.1 LED155.1 LED156.1 LED157.1 LED158.1 LED159.1 LED160.1 P2.1 R7.1 R9.1 SB2.2
VDD: C9.2 C10.2 C26.2 C27.2 J2.1 L1.1 L6.1 L8.1 L9.1 L10.1 L11.1 P5.1 Q1.1 Q2.1 Q3.1 Q4.1 Q5.1 R2.1 R4.1 R6.1 R8.1 R10.1 R21.2 R22.2 U4.1 U4.2 U4.4
pads on no net: C12.2 C13.2 C28.2 C29.2 C30.1 C30.2 C31.1 C31.2 D1.3 D2.3 D3.3 D4.3 D5.1 D5.2 D5.3 L12.1 L12.2 LED160.2 Q8.1 Q8.2 Q8.3 R32.1 R32.2 R33.1 R33.2 R34.1 R34.2 U1.8 U2.8 U3.1 U3.20 U4.3 U6.7
copper on no net: | length 1
  Top Layer w0.254: 56.357,86.004 ccw(c56.357,86.112) 56.465,86.112 ; 72.801,95.773 73.226,95.773 ; 125.682,62.125 125.959,62.402

## Silkscreen, mask and mechanical layers (free items; w line width, h text height)
Bottom Overlay:
  text "BUZZER" at 7.029,114.757 h1.91
  text "+VE" at 45.872,93.726 h2.03 r90
  text "RX" at 150.317,91.999 h2.03
  text "BATTERY" at 47.752,91.415 h1.91 r90
  text "TX" at 150.317,89.484 h2.03
  text "3V3" at 150.063,87.071 h2.03
  text "-VE" at 45.872,84.988 h2.03 r90
  text "RESET" at 150.063,84.531 h2.03
  text "GND" at 150.063,81.966 h2.03
  text "3V3" at 14.794,76.632 h1.52 r90
  text "VBAT" at 1.23,76.403 h1.52 r90
  text "GND" at 11.797,74.346 h1.52 r90
  text "BAT_IN" at 3.796,74.32 h1.52 r90
  text "5V" at 7.682,73.635 h1.52 r90
Mechanical 1:
  circle w0.254: c98.806,87.351 r38.2
  circle w0.254: c98.806,87.376 r41.75
  circle w0.254: c98.806,87.376 r46.75
  circle w0.254: c98.806,87.376 r8
  circle w0.254: c98.806,87.376 r13
  circle w0.254: c98.806,87.376 r16.4
  circle w0.254: c98.806,87.376 r21.4
  circle w0.254: c98.806,87.376 r24.8
  circle w0.254: c98.806,87.376 r29.8
  circle w0.254: c98.806,87.376 r33.2
  circle w0.254: c98.806,87.376 r39.975
  lines w0.254: 43.84,87.376 98.806,87.376 ; 98.806,32.334 98.806,87.376 ; 98.806,87.351 186.69,87.351 ; 98.806,97.79 186.69,97.79 ; 98.806,142.367 98.806,87.376 ; 98.806,87.376 98.806,87.376
Mechanical 2:
  circle w0.254: c98.806,87.376 r2.5
  circle w0.254: c98.806,87.376 r55

## Dimensions
98.806,142.367 to 98.806,32.334 on Mechanical 1